# KiCad board anavi-arrows.kicad_pcb
title: ANAVI Arrows; date: 2023-01-01; rev: 1.0; company: ANAVI Technology
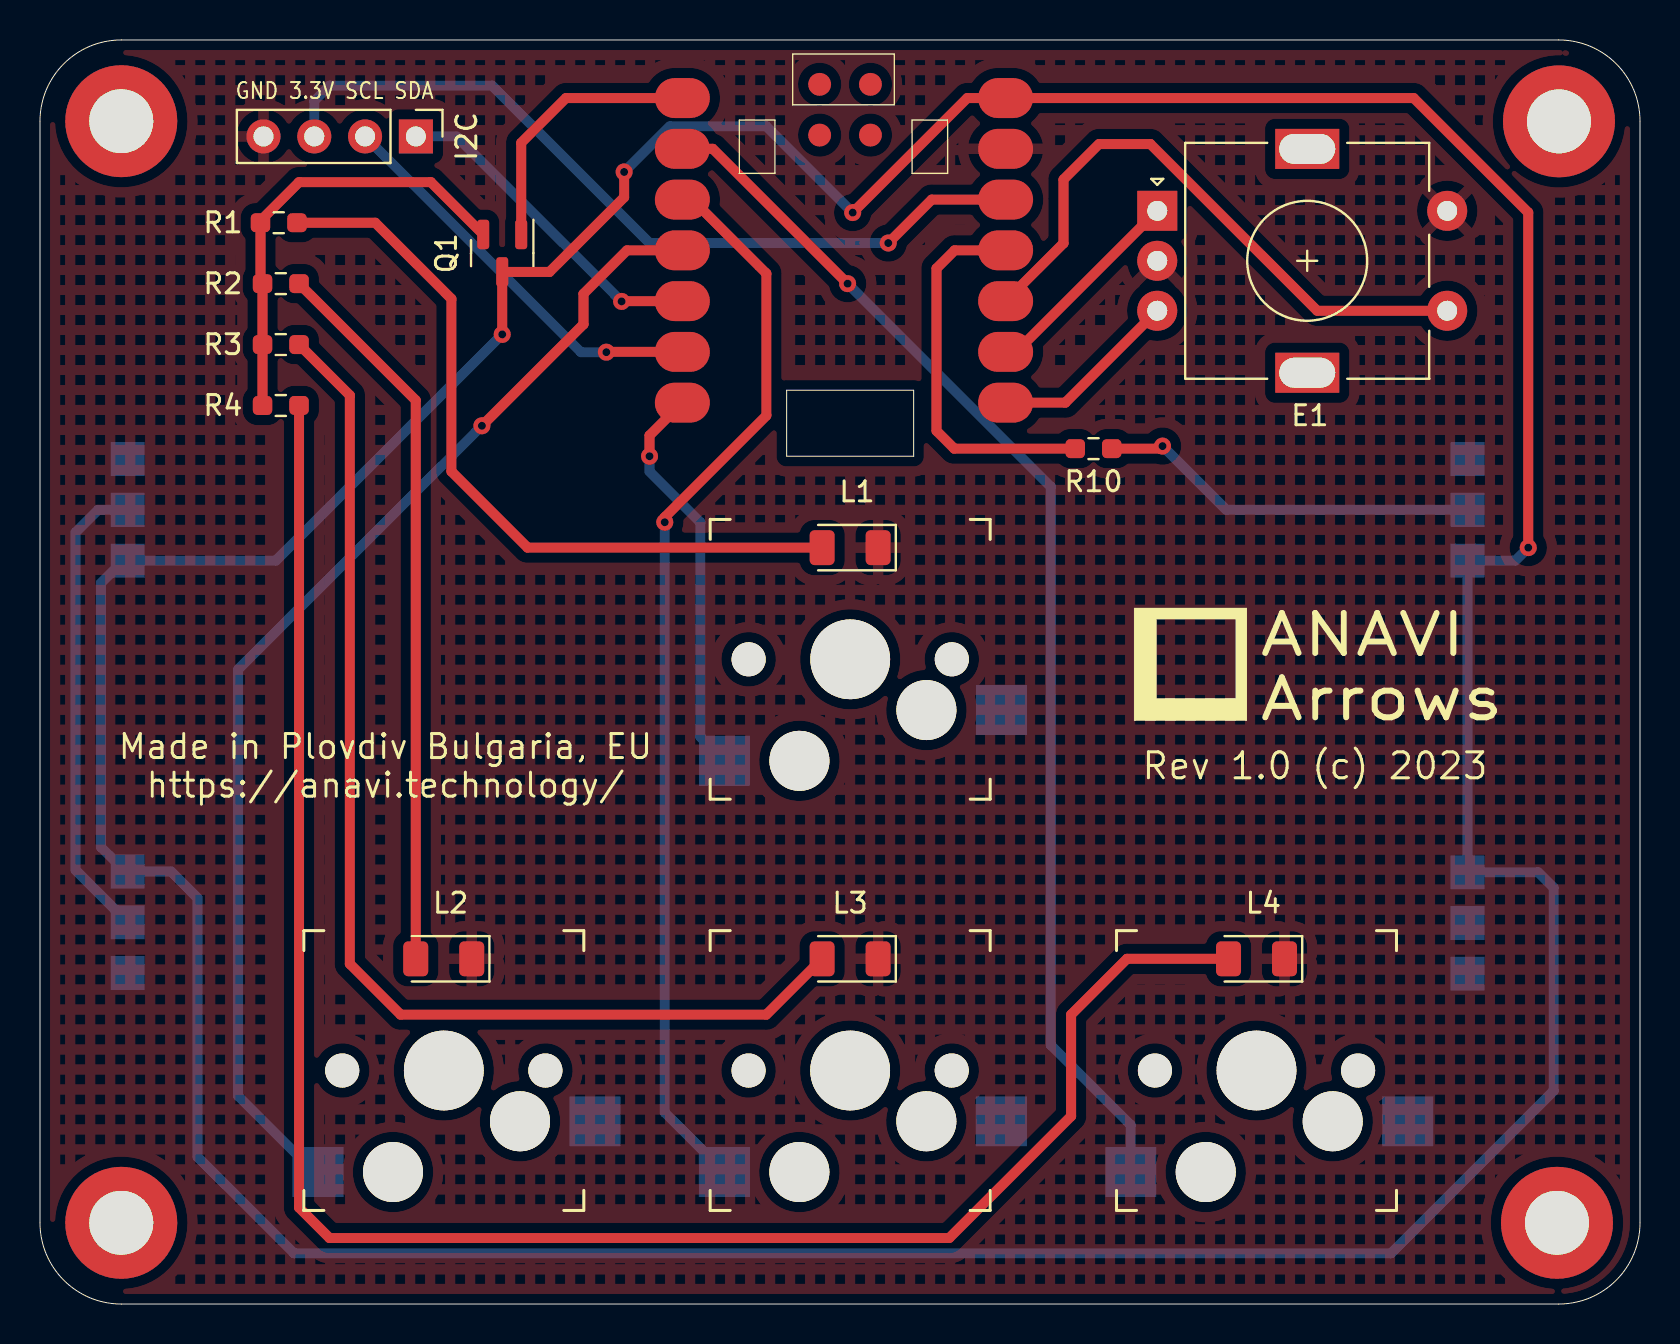
[diagram p0: board, top side]
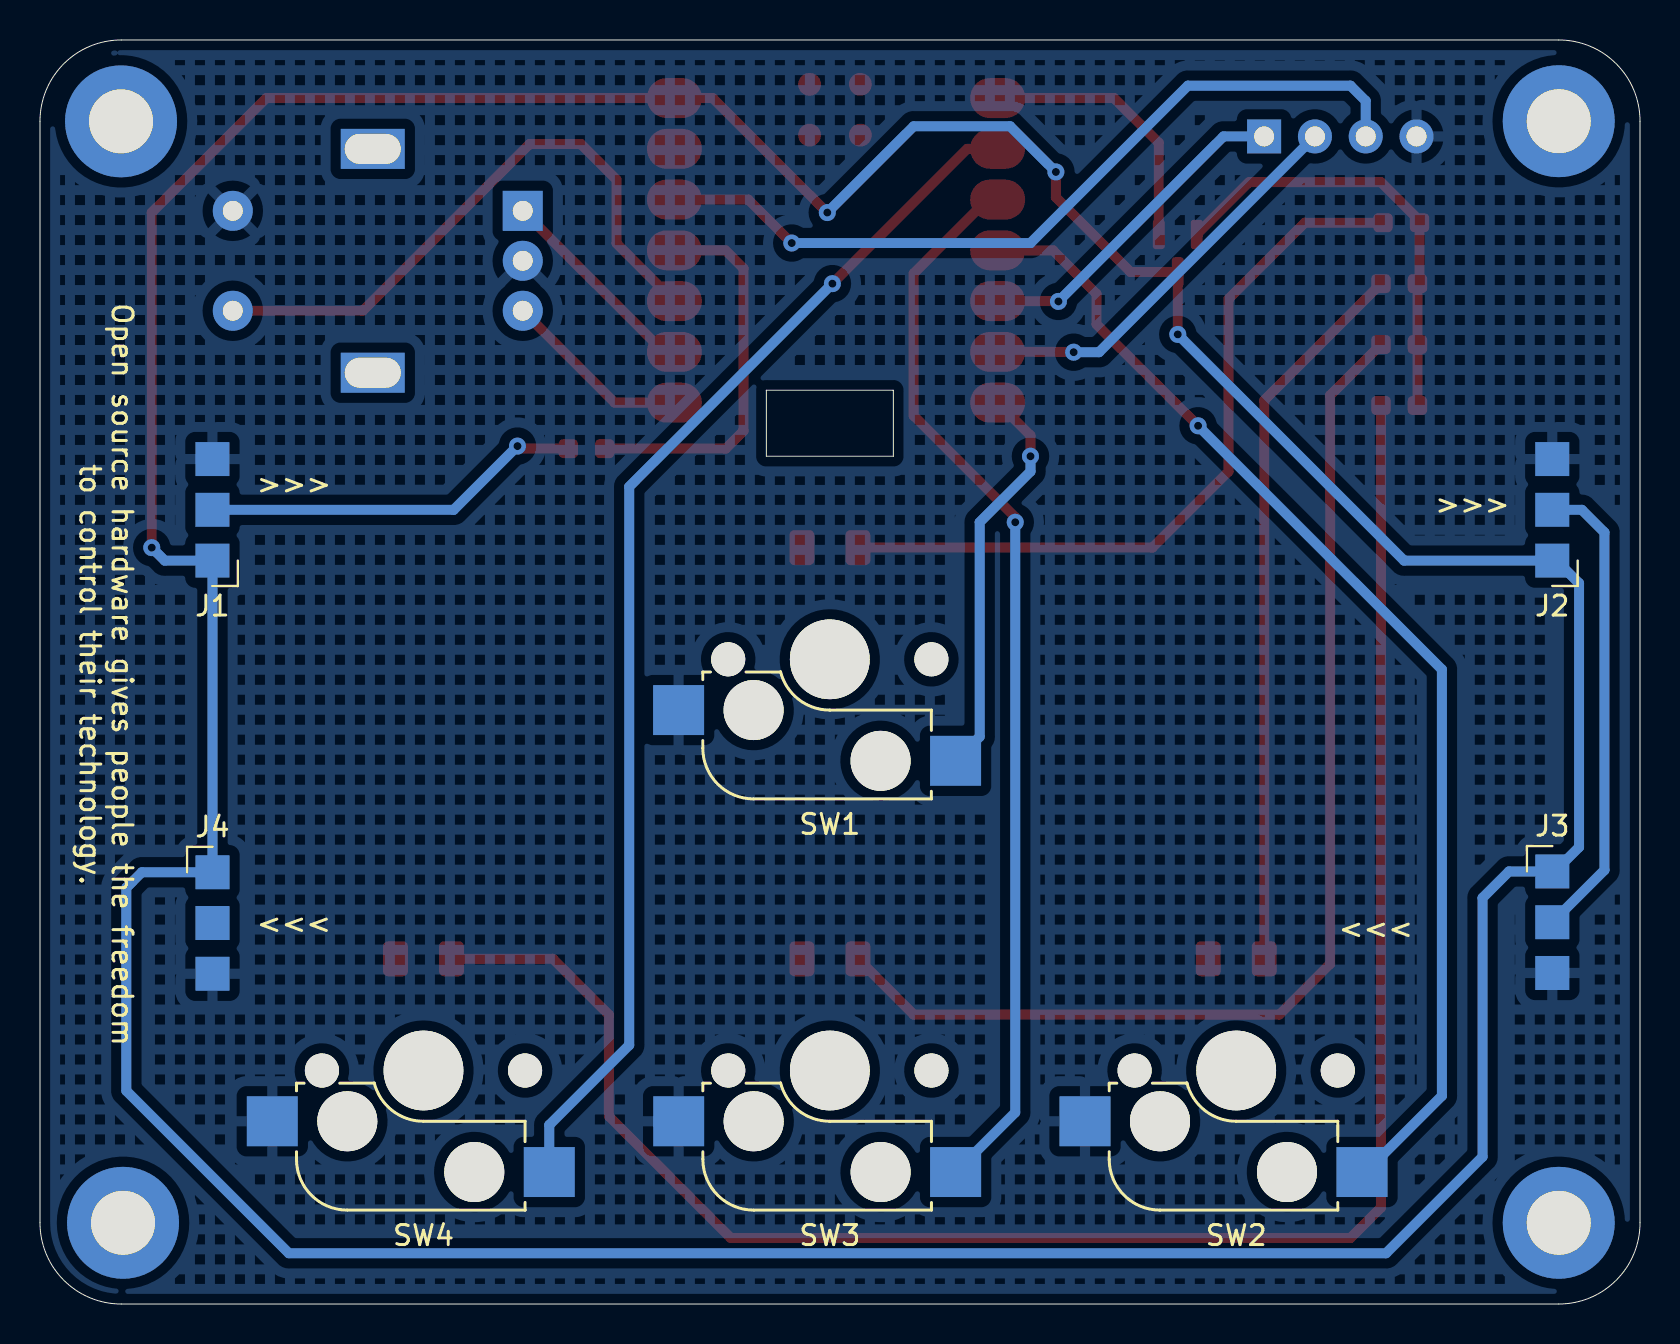
[diagram p1: board, bottom side, seen from below]

Outline 80.01 x 63.25 mm; copper layers: Top, Bottom. Coordinates in mm from the lower left corner of the outline.
Outline path: 0,59.18 arc(1.19,62.06) 4.06,63.25 75.95,63.25 arc(78.82,62.06) 80.01,59.18 80.01,4.06 arc(78.82,1.19) 75.95,0 4.06,0 arc(1.19,1.19) 0,4.06 0,59.18 ; 37.34,45.72 37.34,42.42 43.69,42.42 43.69,45.72 37.34,45.72
Stack: Top 0.035mm / dielectric 1.51mm FR4 er 4.5 / Bottom 0.035mm

## Placement (name value [footprint] x y rotation side)
E1  Rotary_Encoder_Switch  [RotaryEncoder_Alps_EC11E-Switch_Vertical_H20mm]  55.87 54.7 0 top
G***  LOGO  [anavi-logo]  57.53 32 0 top
I2C  Conn_01x04_Female  [PinHeader_1x04_P2.54mm_Vertical]  18.8 58.42 270 top
J1  Conn_01x03_Male  [LedConnector_1x03_P2.54mm]  71.39 37.2 0 bottom
J2  Conn_01x03_Male  [LedConnector_1x03_P2.54mm]  4.39 37.2 0 bottom
J3  Conn_01x03_Male  [LedConnector_1x03_P2.54mm]  4.39 21.64 180 bottom
J4  Conn_01x03_Male  [LedConnector_1x03_P2.54mm]  71.38 21.6 180 bottom
L1  LED  [LED_1206_3216Metric]  40.51 37.85 180 top
L2  LED  [LED_1206_3216Metric]  20.19 17.27 180 top
L3  LED  [LED_1206_3216Metric]  40.51 17.27 180 top
L4  LED  [LED_1206_3216Metric]  60.83 17.27 180 top
Q1  Q_NPN_BEC  [SOT-23]  23.11 52.58 270 top
R1  68R  [R_0603_1608Metric_Pad0.98x0.95mm_HandSolder]  11.94 54.1 0 top
R2  68R  [R_0603_1608Metric_Pad0.98x0.95mm_HandSolder]  12.04 51.05 0 top
R3  68R  [R_0603_1608Metric_Pad0.98x0.95mm_HandSolder]  12.04 48.01 0 top
R4  68R  [R_0603_1608Metric_Pad0.98x0.95mm_HandSolder]  12.04 44.96 0 top
R10  470R  [R_0603_1608Metric_Pad0.98x0.95mm_HandSolder]  52.68 42.8 180 top
REF**  -  [MountingHole_3.2mm_M3_DIN965_Pad]  4.06 59.18 0 top
REF**#2  MountingHole_3.2mm_M3_DIN965_Pad  [MountingHole_3.2mm_M3_DIN965_Pad#2]  75.86 4.06 0 top
REF**#3  MountingHole_3.2mm_M3_DIN965_Pad  [MountingHole_3.2mm_M3_DIN965_Pad#3]  75.96 59.17 0 top
REF**#4  MountingHole_3.2mm_M3_DIN965_Pad  [MountingHole_3.2mm_M3_DIN965_Pad#4]  4.06 4.06 0 top
SW1  SW_DIP_x01  [Kailh_socket_MX]  40.52 32.26 180 top
SW2  SW_DIP_x01  [Kailh_socket_MX]  20.19 11.68 180 top
SW3  SW_DIP_x01  [Kailh_socket_MX]  40.51 11.68 180 top
SW4  SW_DIP_x01  [Kailh_socket_MX]  60.83 11.68 180 top
U1  SeeeduinoXIAO  [Seeeduino XIAO-MOUDLE14P-2.54-21X17.8MM]  31.29 42.22 0 top

## Footprints (pads in the part's own frame, mm; a bottom-side part is the same pattern mirrored in y, then rotated)
Kailh_socket_MX
  round 1.702 hole 1.702 unplated: (-5.08,0) (5.08,0)
  round 3 hole 3 unplated: (-3.81,2.54) (2.54,5.08)
  round 3.988 hole 3.988 unplated: (0,0)
  rect 2.55x2.5 smd far side: 1(6.29,5.08) 2(-7.56,2.54)
LED_1206_3216Metric
  rrect 1.25x1.75 smd: 1(-1.4,0) 2(1.4,0)
LedConnector_1x03_P2.54mm
  rect 1.7x1.7 smd: 1(0,0) 2(0,-2.54) 3(0,-5.08)
MountingHole_3.2mm_M3_DIN965_Pad
  round 5.6 hole 3.2: 1(0,0)
MountingHole_3.2mm_M3_DIN965_Pad#2
  round 5.6 hole 3.2: 3(0,0)
MountingHole_3.2mm_M3_DIN965_Pad#3
  round 5.6 hole 3.2: 2(0,0)
MountingHole_3.2mm_M3_DIN965_Pad#4
  round 5.6 hole 3.2: 4(0,0)
PinHeader_1x04_P2.54mm_Vertical
  rect 1.7x1.7 hole 1: 1(0,0)
  oval 1.7x1.7 hole 1: 2(0,-2.54) 3(0,-5.08) 4(0,-7.62)
R_0603_1608Metric_Pad0.98x0.95mm_HandSolder
  rrect 0.975x0.95 smd: 1(-0.912,0) 2(0.912,0)
RotaryEncoder_Alps_EC11E-Switch_Vertical_H20mm
  rect 2x2 hole 1: A(0,0)
  round 2 hole 1: B(0,-5) C(0,-2.5) S1(14.5,-5) S2(14.5,0)
  rect 3.2x2 hole 2.8x1.5: MP(7.5,3.1) MP(7.5,-8.1)
Seeeduino XIAO-MOUDLE14P-2.54-21X17.8MM
  oval 2.748x1.999 smd: 1(0.833,18.118) 2(0.833,15.578) 3(0.833,13.038) 4(0.833,10.498) 5(0.833,7.958) 6(0.833,5.418) 7(0.833,2.878) 8(16.998,2.878) 9(16.998,5.418) 10(16.998,7.958) 11(16.998,10.498) 12(16.998,13.038) 13(16.998,15.578) 14(16.998,18.118)
  round 1.143 smd: 17(7.699,18.804) 18(10.239,18.804) 19(7.699,16.264) 20(10.239,16.264)
SOT-23
  rrect 1.475x0.6 smd: 1(-0.938,0.95) 2(-0.938,-0.95) 3(0.938,0)

## Nets
+3V3: I2C.3 U1.12
+5V: J1.1 J2.1 J3.1 J4.1 Q1.3 U1.14
GND: E1.C E1.S2 I2C.4 J1.3 J2.3 J3.3 J4.3 L1.1 L2.1 L3.1 L4.1 SW1.2 SW2.2 SW3.2 SW4.2 U1.13
Net-(E1-PadA): E1.A U1.9
Net-(E1-PadB): E1.B U1.8
Net-(E1-PadS1): E1.S1 U1.10
Net-(I2C1-Pad1): I2C.1 U1.5
Net-(I2C1-Pad2): I2C.2 U1.6
Net-(J1-Pad2): J1.2 R10.1
Net-(J2-Pad2): J2.2 J3.2
Net-(L1-Pad2): L1.2 R1.2
Net-(L2-Pad2): L2.2 R2.2
Net-(L3-Pad2): L3.2 R3.2
Net-(L4-Pad2): L4.2 R4.2
Net-(Q1-Pad1): Q1.1 U1.1
Net-(Q1-Pad2): Q1.2 R1.1 R2.1 R3.1 R4.1
Net-(R10-Pad2): R10.2 U1.11
Net-(SW1-Pad1): SW1.1 U1.7
Net-(SW2-Pad1): SW2.1 U1.4
Net-(SW3-Pad1): SW3.1 U1.3
Net-(SW4-Pad1): SW4.1 U1.2

Pads without a net: E1 MP; J4 2; REF** 1; REF**#2 3; REF**#3 2; REF**#4 4; U1 17 18 19 20

## Via types
v1: diameter 0.85, hole 0.4, Top to Bottom, 12 vias

## Routing (per net, layer and track width the routed paths; a pad name or vN(x,y) marks a point on that pad's centre or on a via; arc(x,y) is an arc through that point)
+3V3: length 40.8
  Top w0.5: v1(42.42,53.09) 44.59,55.26 U1.12
  Bottom w0.5: I2C.3 13.72,60.2 14.48,60.96 22.61,60.96 30.48,53.09 v1(42.42,53.09)
+5V: length 245.6
  Top w0.5: v1(23.11,48.51) Q1.3 25.48,51.64 29.21,55.37 v1(29.21,56.64) ; v1(74.42,37.85) 74.42,54.61 68.69,60.34 U1.14 46.37,60.34 v1(40.64,54.61)
  Bottom w0.5: J2.1 4.18,37.2 3.05,36.07 3.05,22.86 4.26,21.64 J3.1 6.55,21.64 7.87,20.32 7.87,7.37 12.7,2.54 67.56,2.54 75.69,10.67 75.69,20.83 74.92,21.6 J4.1 71.38,37.19 J1.1 73.77,37.2 v1(74.42,37.85) ; J2.1 11.8,37.2 v1(23.11,48.51) ; J2.1 4.39,37.19 ; v1(29.21,56.64) 31.5,58.93 36.32,58.93 v1(40.64,54.61)
Net-(E1-PadA): length 10.9
  Top w0.5: E1.A 48.81,47.64 U1.9 48.66,47.64 48.68,47.62
Net-(E1-PadB): length 9.5
  Top w0.5: E1.B 51.27,45.1 U1.8
Net-(E1-PadS1): length 30.7
  Top w0.5: U1.10 51.18,53.07 51.18,56.26 52.96,58.04 55.53,58.04 63.87,49.7 E1.S1
Net-(I2C1-Pad1): length 16.8
  Top w0.5: v1(29.08,50.17) 29.1,50.18 U1.5
  Bottom w0.5: I2C.1 20.83,58.42 v1(29.08,50.17)
Net-(I2C1-Pad2): length 20.3
  Top w0.5: U1.6 28.34,47.64 v1(28.32,47.62)
  Bottom w0.5: I2C.2 27.05,47.62 v1(28.32,47.62)
Net-(J1-Pad2): length 19.2
  Top w0.5: R10.1 56.01,42.8 v1(56.13,42.93)
  Bottom w0.5: v1(56.13,42.93) 59.32,39.74 J1.2
Net-(J2-Pad2): length 23.7
  Bottom w0.5: J3.2 1.78,21.71 1.78,38.61 2.91,39.74 J2.2
Net-(L1-Pad2): length 38.1
  Top w0.5: R1.2 16.76,54.1 20.57,50.29 20.57,41.66 24.38,37.85 L1.2
Net-(L2-Pad2): length 36.2
  Top w0.5: L2.2 18.79,45.22 R2.2
Net-(L3-Pad2): length 57.9
  Top w0.5: R3.2 15.49,45.47 15.49,17.02 18.03,14.48 36.32,14.48 L3.2
Net-(L4-Pad2): length 96
  Top w0.5: L4.2 54.36,17.27 51.56,14.48 51.56,9.4 45.47,3.3 14.48,3.3 12.95,4.83 R4.2
Net-(Q1-Pad1): length 13.6
  Top w0.5: Q1.1 24.06,58.1 26.3,60.34 U1.1
Net-(Q1-Pad2): length 22.3
  Top w0.5: Q1.2 19.55,56.13 12.95,56.13 11.03,54.21 R1.1 11.03,51.16 R2.1 R3.1 R4.1
Net-(R10-Pad2): length 19.3
  Top w0.5: R10.2 45.72,42.8 44.83,43.69 44.83,51.82 45.73,52.72 U1.11
Net-(SW1-Pad1): length 20.2
  Top w0.5: v1(30.48,42.42) 30.48,43.46 U1.7
  Bottom w0.5: SW1.1 33.02,28.38 33.02,39.12 30.48,41.66 v1(30.48,42.42)
Net-(SW2-Pad1): length 58.7
  Top w0.5: U1.4 29.35,52.72 27.18,50.55 27.18,49.02 v1(22.1,43.94)
  Bottom w0.5: v1(22.1,43.94) 9.91,31.75 9.91,10.41 13.72,6.6 SW2.1
Net-(SW3-Pad1): length 54
  Top w0.5: v1(31.24,39.12) 31.24,39.37 36.32,44.45 36.32,51.56 32.62,55.26 U1.3
  Bottom w0.5: v1(31.24,39.12) 31.24,9.59 SW3.1
Net-(SW4-Pad1): length 61.4
  Top w0.5: v1(40.39,51.05) 33.64,57.8 U1.2
  Bottom w0.5: SW4.1 54.54,8.96 50.55,12.95 50.55,40.89 v1(40.39,51.05)

## Copper pours and planes (outline as drawn; the poured copper is in the pictures)
GND on Top: 97.96,-37.83 -17.04,-37.83 -17.04,72.17 97.96,72.17
GND on Top, Bottom: 97.96,-37.83 -17.04,-37.83 -17.04,72.17 97.96,72.17

## Text on the board
B.Silkscreen: <<< | Open source hardware gives people the freedom / to control their technology.
F.Fab: KP-3216YC | BC817
F.Silkscreen: GND 3.3V SCL SDA | Made in Plovdiv Bulgaria, EU / https://anavi.technology/ | Rev 1.0 (c) 2023 | ANAVI / Arrows
